# Altium PCB Elevator.PcbDoc (part 1 of 4) (continued)
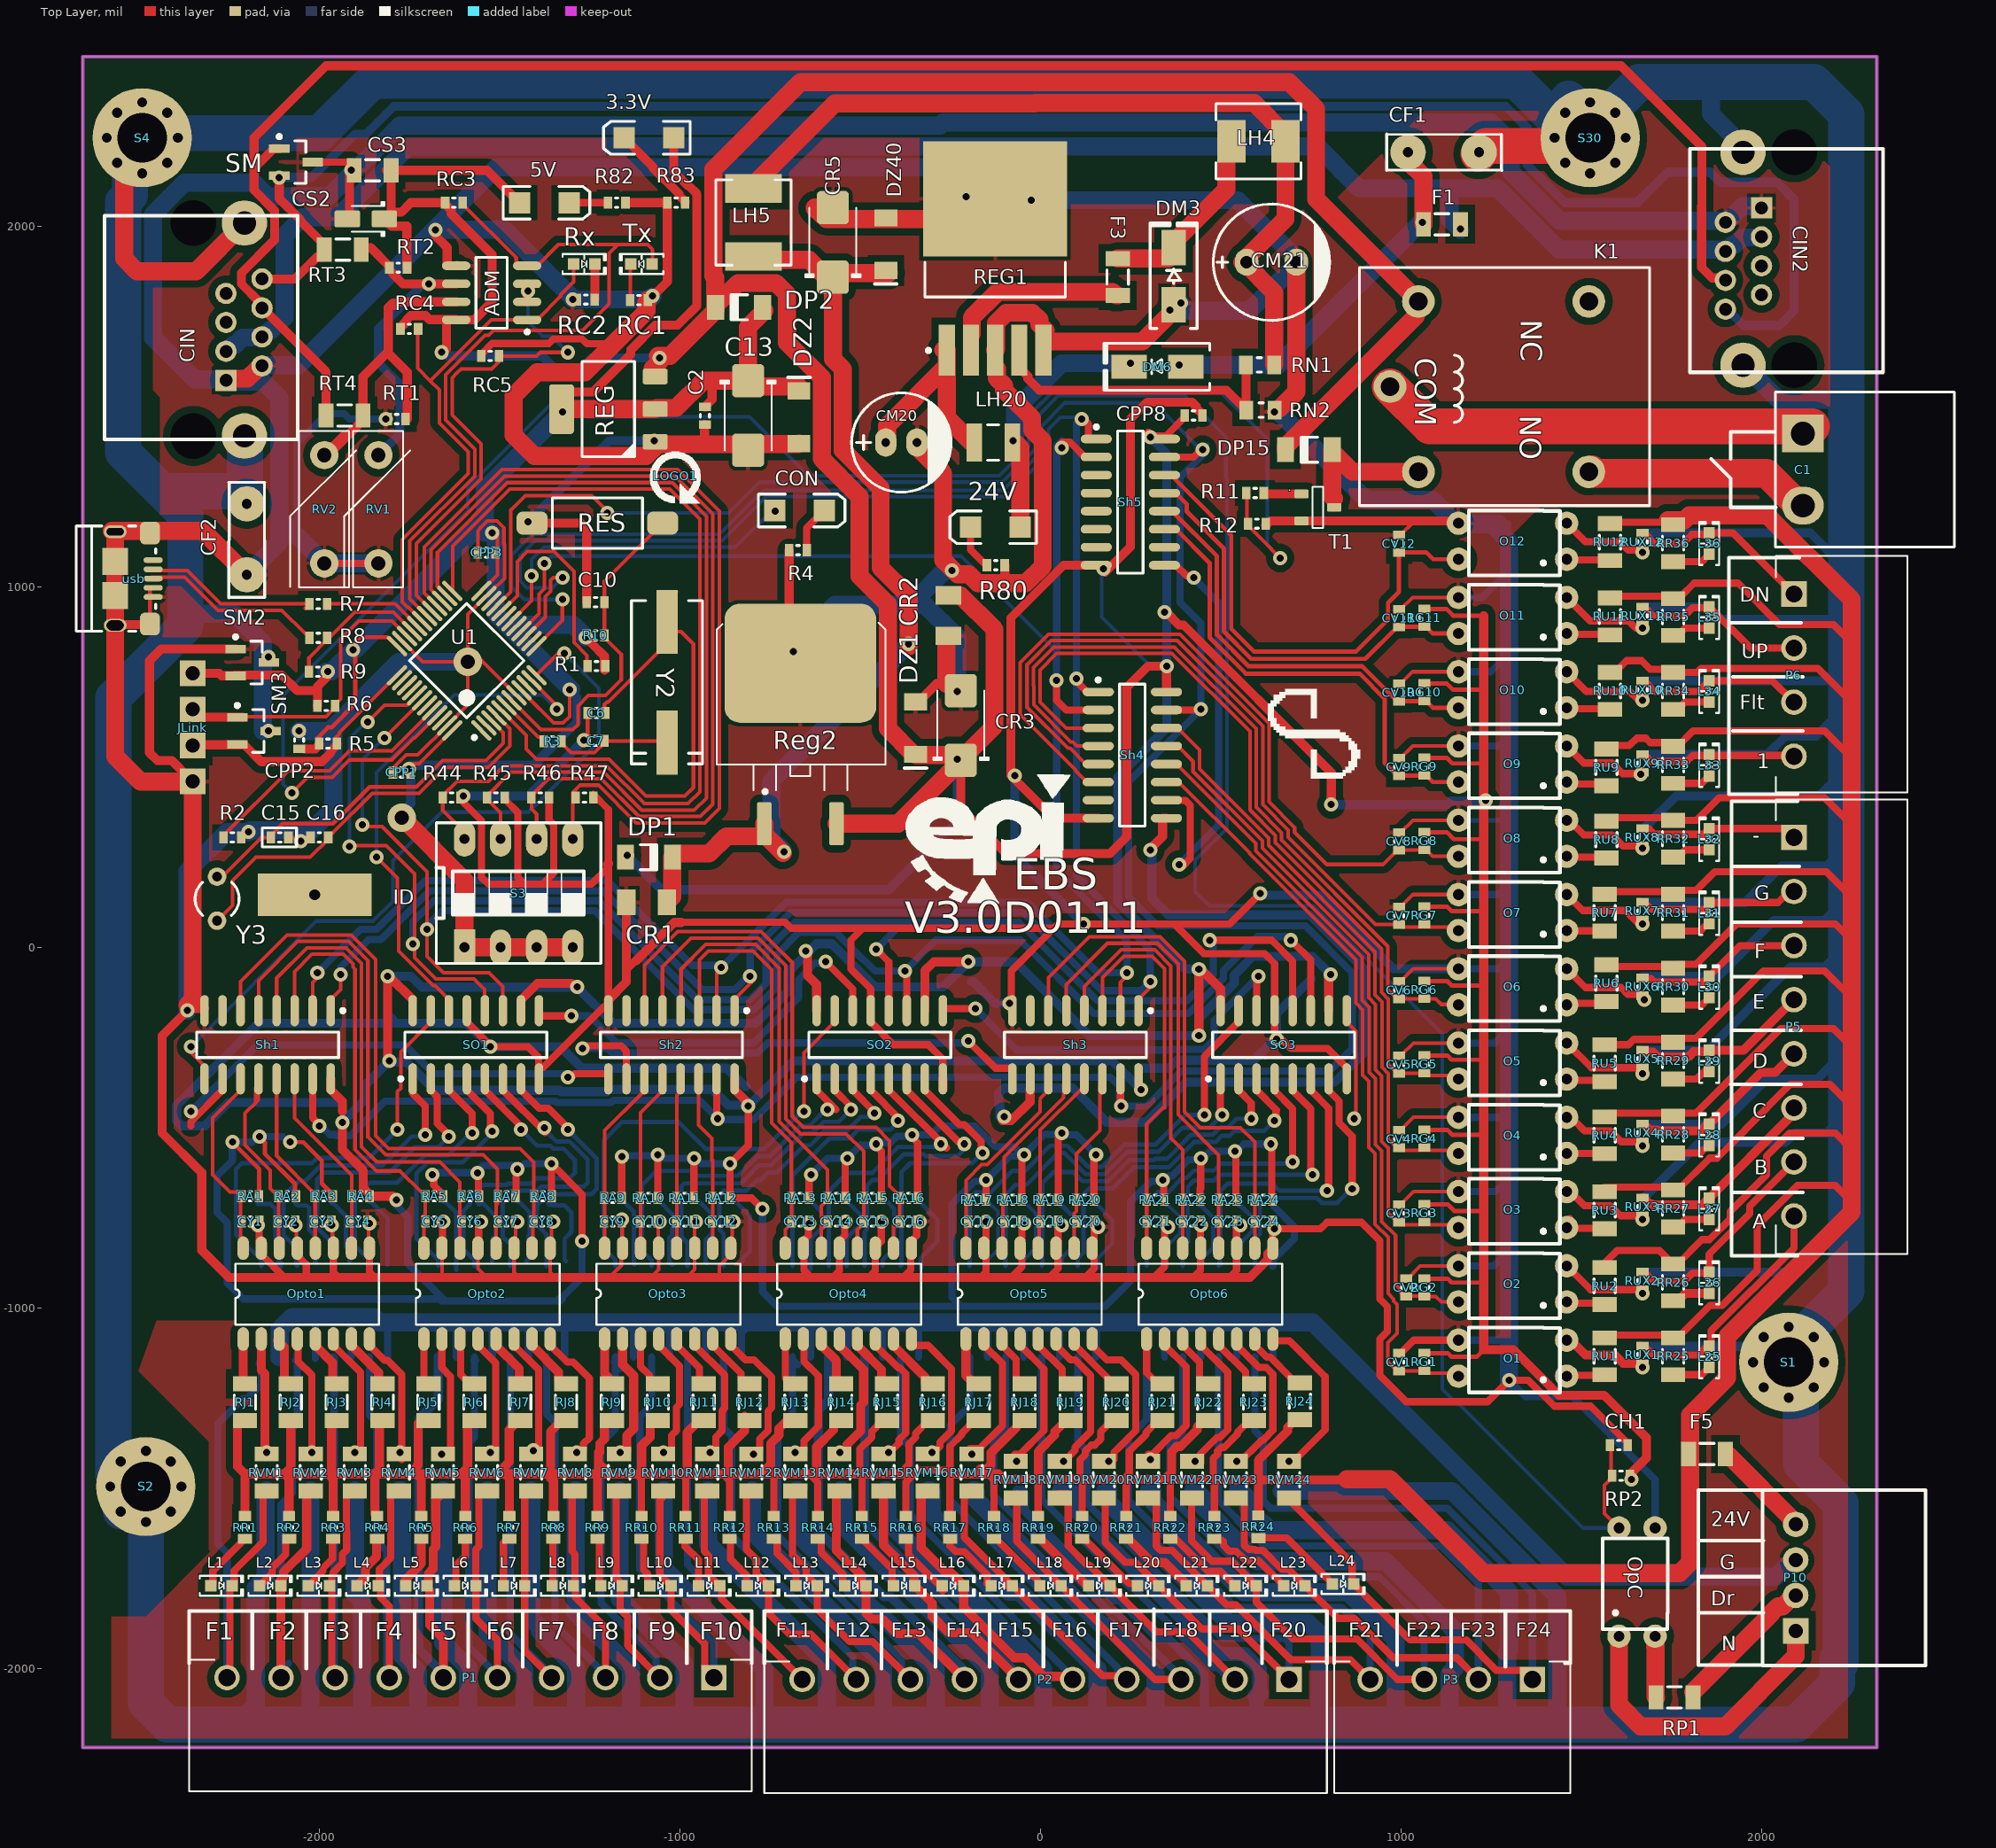
[diagram p0: Top Layer view]
## Components (designator, comment, footprint, x,y, rotation, side; value= is the part's Value field where it differs from the comment) (continued)
RA22 "10K" "RES 0603 (1608X06L)" 443.99,-700 r180 top
RA23 "10K" "RES 0603 (1608X06L)" 543.99,-700 r180 top
RA24 "10K" "RES 0603 (1608X06L)" 643.99,-700 r180 top
RC1 "510" "RES 0603 (1608X06L)" -1087.68,1795 r180 top
RC2 "510" "RES 0603 (1608X06L)" -1284.36,1796.59 r0 top
RC3 "10k" "RES 0603 (1608X06L)" -1601.01,2065 r180 top
RC4 "10k" "RES 0603 (1608X06L)" -1725,1715 r180 top
RC5 "10k" "RES 0603 (1608X06L)" -1500.6,1639.93 r180 top
REG "AMS1117-3.3" SOT223 -1197.53,1492.62 r180 top
REG1 "LM2576-Adj" TO-263-5 -125,1910 r90 top
Reg2 "L7805" D2PAK-3 -665,565.54 r270 top value=variable
RES "Button" "TE FSMSMTR" -1227.97,1176.48 r90 top
RF1 "1K" "RES 0603 (1608X06L)" -2170,-711.01 r270 bottom
RF2 "1K" "RES 0603 (1608X06L)" -2065,-710 r270 bottom
RF3 "1K" "RES 0603 (1608X06L)" -1965,-710 r270 bottom
RF4 "1K" "RES 0603 (1608X06L)" -1860,-706.01 r270 bottom
RF5 "1K" "RES 0603 (1608X06L)" -1655,-705 r270 bottom
RF6 "1K" "RES 0603 (1608X06L)" -1550,-710 r270 bottom
RF7 "1K" "RES 0603 (1608X06L)" -1450,-705 r270 bottom
RF8 "1K" "RES 0603 (1608X06L)" -1355,-710 r270 bottom
RF9 "1K" "RES 0603 (1608X06L)" -1165,-700 r270 bottom
RF10 "1K" "RES 0603 (1608X06L)" -1060,-705 r270 bottom
RF11 "1K" "RES 0603 (1608X06L)" -955,-700 r270 bottom
RF12 "1K" "RES 0603 (1608X06L)" -855,-700 r270 bottom
RF13 "1K" "RES 0603 (1608X06L)" -640,-705 r270 bottom
RF14 "1K" "RES 0603 (1608X06L)" -540,-705 r270 bottom
RF15 "1K" "RES 0603 (1608X06L)" -440,-705 r270 bottom
RF16 "1K" "RES 0603 (1608X06L)" -340,-705 r270 bottom
RF17 "1K" "RES 0603 (1608X06L)" -150,-705 r270 bottom
RF18 "1K" "RES 0603 (1608X06L)" -45,-710 r270 bottom
RF19 "1K" "RES 0603 (1608X06L)" 55,-715 r270 bottom
RF20 "1K" "RES 0603 (1608X06L)" 155,-715 r270 bottom
RF21 "1K" "RES 0603 (1608X06L)" 350,-715 r270 bottom
RF22 "1K" "RES 0603 (1608X06L)" 440,-715 r270 bottom
RF23 "1K" "RES 0603 (1608X06L)" 550,-715 r270 bottom
RF24 "1K" "RES 0603 (1608X06L)" 640,-721.01 r270 bottom
RG1 "20K" "RES 0603 (1608X06L)" 1065,-1173.99 r90 top
RG2 "20K" "RES 0603 (1608X06L)" 1065,-967.66 r90 top
RG3 "20K" "RES 0603 (1608X06L)" 1065,-761.33 r90 top
RG4 "20K" "RES 0603 (1608X06L)" 1065,-554.99 r90 top
RG5 "20K" "RES 0603 (1608X06L)" 1065,-348.66 r90 top
RG6 "20K" "RES 0603 (1608X06L)" 1065,-142.33 r90 top
RG7 "20K" "RES 0603 (1608X06L)" 1065,64.01 r90 top
RG8 "20K" "RES 0603 (1608X06L)" 1065,270.34 r90 top
RG9 "20K" "RES 0603 (1608X06L)" 1065,476.67 r90 top
RG10 "20K" "RES 0603 (1608X06L)" 1065,683.01 r90 top
RG11 "20K" "RES 0603 (1608X06L)" 1065,889.34 r90 top
RJ1 "3K" "RES 1206 (3216X08L)" -2205,-1210 r270 top
RJ2 "3K" "RES 1206 (3216X08L)" -2077.83,-1210 r270 top
RJ3 "3K" "RES 1206 (3216X08L)" -1950.65,-1210 r270 top
RJ4 "3K" "RES 1206 (3216X08L)" -1823.48,-1210 r270 top
RJ5 "3K" "RES 1206 (3216X08L)" -1696.3,-1210 r270 top
RJ6 "3K" "RES 1206 (3216X08L)" -1569.13,-1210 r270 top
RJ7 "3K" "RES 1206 (3216X08L)" -1441.96,-1210 r270 top
RJ8 "3K" "RES 1206 (3216X08L)" -1314.78,-1210 r270 top
RJ9 "3K" "RES 1206 (3216X08L)" -1187.61,-1210 r270 top
RJ10 "3K" "RES 1206 (3216X08L)" -1060.43,-1210 r270 top
RJ11 "3K" "RES 1206 (3216X08L)" -933.26,-1210 r270 top
RJ12 "3K" "RES 1206 (3216X08L)" -806.09,-1210 r270 top
RJ13 "3K" "RES 1206 (3216X08L)" -678.91,-1210 r270 top
RJ14 "3K" "RES 1206 (3216X08L)" -551.74,-1210 r270 top
RJ15 "3K" "RES 1206 (3216X08L)" -424.57,-1210 r270 top
RJ16 "3K" "RES 1206 (3216X08L)" -297.39,-1210 r270 top
RJ17 "3K" "RES 1206 (3216X08L)" -170.22,-1210 r270 top
RJ18 "3K" "RES 1206 (3216X08L)" -43.04,-1210 r270 top
RJ19 "3K" "RES 1206 (3216X08L)" 84.13,-1210 r270 top
RJ20 "3K" "RES 1206 (3216X08L)" 211.3,-1210 r270 top
RJ21 "3K" "RES 1206 (3216X08L)" 338.48,-1210 r270 top
RJ22 "3K" "RES 1206 (3216X08L)" 465.65,-1210 r270 top
RJ23 "3K" "RES 1206 (3216X08L)" 592.83,-1210 r270 top
RJ24 "3K" "RES 1206 (3216X08L)" 720,-1207.8 r270 top
RN1 "4.7K" "RES 0805" 648.74,1615 r180 top
RN2 "1K" "RES 0805" 571.26,1490 r0 top
RP1 "180K" "RES 1206 (3216X08L)" 1707.8,-2080 r0 top
RP2 "20K" "RES 0603 (1608X06L)" 1586.01,-1465 r0 top
RR1 "5K" "RES 0603" -2205,-1577.01 r270 top
RR2 "5K" "RES 0603" -2082.83,-1577.01 r270 top
RR3 "5K" "RES 0603" -1960.65,-1577.01 r270 top
RR4 "5K" "RES 0603" -1838.48,-1577.01 r270 top
RR5 "5K" "RES 0603" -1716.3,-1577.01 r270 top
RR6 "5K" "RES 0603" -1594.13,-1577.01 r270 top
RR7 "5K" "RES 0603" -1471.96,-1577.01 r270 top
RR8 "5K" "RES 0603" -1349.78,-1577.01 r270 top
RR9 "5K" "RES 0603" -1227.61,-1577.01 r270 top
RR10 "5K" "RES 0603" -1105.43,-1577.01 r270 top
RR11 "5K" "RES 0603" -983.26,-1577.01 r270 top
RR12 "5K" "RES 0603" -861.09,-1577.01 r270 top
RR13 "5K" "RES 0603" -738.91,-1577.01 r270 top
RR14 "5K" "RES 0603" -616.74,-1577.01 r270 top
RR15 "5K" "RES 0603" -494.57,-1577.01 r270 top
RR16 "5K" "RES 0603" -372.39,-1577.01 r270 top
RR17 "5K" "RES 0603" -250.22,-1577.01 r270 top
RR18 "5K" "RES 0603" -128.04,-1577.01 r270 top
RR19 "5K" "RES 0603" -5.87,-1577.01 r270 top
RR20 "5K" "RES 0603" 116.3,-1577.01 r270 top
RR21 "5K" "RES 0603" 238.48,-1577.01 r270 top
RR22 "5K" "RES 0603" 360.65,-1577.01 r270 top
RR23 "5K" "RES 0603" 482.83,-1577.01 r270 top
RR24 "5K" "RES 0603" 605,-1575 r270 top
RR25 "5K" "RES 1206 (3216X08L)" 1755,-1082.8 r270 top
RR26 "5K" "RES 1206 (3216X08L)" 1755,-877.8 r270 top
RR27 "5K" "RES 1206 (3216X08L)" 1755,-672.8 r270 top
RR28 "5K" "RES 1206 (3216X08L)" 1755,-467.8 r270 top
RR29 "5K" "RES 1206 (3216X08L)" 1755,-262.8 r270 top
RR30 "5K" "RES 1206 (3216X08L)" 1755,-57.8 r270 top
RR31 "5K" "RES 1206 (3216X08L)" 1755,147.2 r270 top
RR32 "5K" "RES 1206 (3216X08L)" 1755,352.2 r270 top
RR33 "5K" "RES 1206 (3216X08L)" 1755,557.2 r270 top
RR34 "5K" "RES 1206 (3216X08L)" 1755,762.2 r270 top
RR35 "5K" "RES 1206 (3216X08L)" 1755,967.2 r270 top
RR36 "5K" "RES 1206 (3216X08L)" 1755,1172.2 r270 top
RT1 "10K" "RES 0603 (1608X06L)" -1760,1465 r180 top
RT2 "10K" "RES 0603 (1608X06L)" -1755.64,1885 r180 top
RT3 "20" "RES 1206 (3216X08L)" -1985,1935 r0 top
RT4 "20" "RES 1206 (3216X08L)" -1980,1475 r0 top
RU1 "3K" "RES 1206 (3216X08L)" 1565,-1082.8 r270 top
RU2 "3K" "RES 1206 (3216X08L)" 1565,-887.8 r270 top
RU3 "3K" "RES 1206 (3216X08L)" 1565,-677.8 r270 top
RU4 "3K" "RES 1206 (3216X08L)" 1565,-470 r270 top
RU5 "3K" "RES 1206 (3216X08L)" 1565,-270 r270 top
RU6 "3K" "RES 1206 (3216X08L)" 1570,-47.8 r270 top
RU7 "3K" "RES 1206 (3216X08L)" 1565,147.2 r270 top
RU8 "3K" "RES 1206 (3216X08L)" 1570,350 r270 top
RU9 "3K" "RES 1206 (3216X08L)" 1570,550 r270 top
RU10 "3K" "RES 1206 (3216X08L)" 1580,762.27 r270 top
RU11 "3K" "RES 1206 (3216X08L)" 1580,968.64 r270 top
RU12 "3K" "RES 1206 (3216X08L)" 1580,1175 r270 top
RUX1 "330" "RES 0603 (1608X06L)" 1670,-1105 r270 top
RUX2 "330" "RES 0603 (1608X06L)" 1670,-900 r270 top
RUX3 "330" "RES 0603 (1608X06L)" 1670,-695 r270 top
RUX4 "330" "RES 0603 (1608X06L)" 1670,-490 r270 top
RUX5 "330" "RES 0603 (1608X06L)" 1670,-285 r270 top
RUX6 "330" "RES 0603 (1608X06L)" 1670,-85 r270 top
RUX7 "330" "RES 0603 (1608X06L)" 1670,125 r270 top
RUX8 "330" "RES 0603 (1608X06L)" 1670,330 r270 top
RUX9 "330" "RES 0603 (1608X06L)" 1670,535 r270 top
RUX10 "330" "RES 0603 (1608X06L)" 1670,738.99 r270 top
RUX11 "330" "RES 0603 (1608X06L)" 1670,943.99 r270 top
RUX12 "330" "RES 0603 (1608X06L)" 1670,1148.99 r270 top
RV1 "Res Varistor 10D201K" "Varistor Short Hieght - Vertical" -1835,1215 r270 top
RV2 "Res Varistor 10D201K" "Varistor Short Hieght - Vertical" -1985,1215 r270 top
RVM1 "330" "RES 1206 (3216X08L)" -2145,-1405 r270 top
RVM2 "330" "RES 1206 (3216X08L)" -2022.83,-1405 r270 top
RVM3 "330" "RES 1206 (3216X08L)" -1900.65,-1405 r270 top
RVM4 "330" "RES 1206 (3216X08L)" -1778.48,-1405 r270 top
RVM5 "330" "RES 1206 (3216X08L)" -1656.3,-1405 r270 top
RVM6 "330" "RES 1206 (3216X08L)" -1534.13,-1405 r270 top
RVM7 "330" "RES 1206 (3216X08L)" -1411.96,-1405 r270 top
RVM8 "330" "RES 1206 (3216X08L)" -1289.78,-1405 r270 top
RVM9 "330" "RES 1206 (3216X08L)" -1167.61,-1405 r270 top
RVM10 "330" "RES 1206 (3216X08L)" -1045.43,-1405 r270 top
RVM11 "330" "RES 1206 (3216X08L)" -923.26,-1405 r270 top
RVM12 "330" "RES 1206 (3216X08L)" -801.09,-1405 r270 top
RVM13 "330" "RES 1206 (3216X08L)" -678.91,-1405 r270 top
RVM14 "330" "RES 1206 (3216X08L)" -556.74,-1405 r270 top
RVM15 "330" "RES 1206 (3216X08L)" -434.57,-1405 r270 top
RVM16 "330" "RES 1206 (3216X08L)" -312.39,-1405 r270 top
RVM17 "330" "RES 1206 (3216X08L)" -190.22,-1405 r270 top
RVM18 "330" "RES 1206 (3216X08L)" -68.04,-1425 r270 top
RVM19 "330" "RES 1206 (3216X08L)" 54.13,-1425 r270 top
RVM20 "330" "RES 1206 (3216X08L)" 176.3,-1425 r270 top
RVM21 "330" "RES 1206 (3216X08L)" 298.48,-1425 r270 top
RVM22 "330" "RES 1206 (3216X08L)" 420.65,-1425 r270 top
RVM23 "330" "RES 1206 (3216X08L)" 542.83,-1425 r270 top
RVM24 "330" "RES 1206 (3216X08L)" 690,-1425 r270 top
Rx "RED" "LED 0603/1608 RED" -1264.36,1895 r0 top
S1 "Screw" MY_PAD_3MM 2075.4,-1150.4 r0 top net-tie
S2 "Screw" MY_PAD_3MM -2480,-1495 r0 top net-tie
S3 "SW DIP-4" "DIP Switch x4" -1596.29,0.52 r90 top
S4 "Screw" MY_PAD_3MM -2490,2245 r0 top net-tie
S30 "Screw" MY_PAD_3MM 1525,2245 r0 top net-tie
Sh1 "74HC165" SO-16 -2142.35,-270 r270 top
Sh2 "74HC165" SO-16 -1022.42,-270 r270 top
Sh3 "74HC165" SO-16 97.51,-270 r270 top
Sh4 "74HC165" SO-16 255.51,533.26 r0 top
Sh5 "74HC165" SO-16 250,1234.74 r0 top
SM "SM712 Diode" SOT23_BEC_M -2063.74,2177.4 r0 top
SM2 "SM712 Diode" SOT23_BEC_M -2185,790 r0 top
SM3 "SM712 Diode" SOT23_BEC_M -2180,600 r0 top
SO1 "74HCT595" SO-16 -1564.86,-270 r90 top
SO2 "74HCT595" SO-16 -444.93,-270 r90 top
SO3 "74HCT595" SO-16 675,-270 r90 top
T1 "BC848" SOT23-3 770,1220 r0 top
Tx "RED" "LED 0603/1608 RED" -1105.47,1895 r180 top
U1 "STM32F103CBT6" LQFP-48 -1590,795 r135 top
usb "USB Micro" "FCI USB 10118193-0001LF" -2563.03,1022.76 r90 top
Y2 "8 MHz" "Crystal SMD" -1035,712.88 r90 top
Y3 "32.768K" "XTAL RTC - Right" -2282.4,135 r0 top

## Footprints (in the part's own frame and the unit in brackets; to place one, negate y for a bottom-side part, rotate by r counter-clockwise, add the part's x,y. Pads: shape width x height; smd on the part's side, far side on the other; paste and mask are expansions set on the pad)
1206 [mm]
  rect 1.3x1.8 smd: 1(-1.425,0) 2(1.425,0)
  body extent -1.67,-0.87 1.68,0.87, height 0.71
"cap 02" [mm]
  oval 1.5x2 hole 0.6: 1(1.1,0) 2(-1.1,0)
  silkscreen extent -3.5,-3.5 3.5,3.5
"cap 03" [mil]
  oval 65x75 hole 35: 1(68.9,0) 2(-68.9,0)
  silkscreen extent -161,-161 161,161, body extent -159,-159 157,158, height 473
"Cap 10nF" [mm]
  round 2.5 hole 0.7: 1(0,0) 2(5,0)
  silkscreen extent -1.62,-1.28 6.51,1.29, body extent -1.5,-1.19 6.5,1.19, height 9.05
CAP-0603 [mm]
  rect 0.6x0.85 smd: 1(-0.622,0) 2(0.622,0)
  silkscreen extent -1.21,-0.67 1.2,0.68, body extent -0.76,-0.38 0.76,0.38, height 0.6
CAPMP3216X180N [mm] "Capacitor, polarized, Molded Body, EIA 535BAAC size A; 3.20mm L X 1.60mm W X 1.80mm H"
  round 0.508 on Mech15: 0(0,0)
  rrect25% 1.8x1.2 smd: 1(-1.3,0) 2(1.3,0)
  silkscreen extent -1.3,-1.2 1,1.2, body extent -1.6,-0.8 1.6,0.8, height 1.8
CAPMP6032X280N [mm] "Capacitor, polarized, Molded Body, EIA 535BAAC size C; 6.00mm L X 3.20mm W X 2.80mm H"
  round 0.508 on Mech15: 0(0,0)
  rrect25% 2.35x2.25 smd: 1(-2.45,0) 2(2.45,0)
  silkscreen extent -2.45,-1.95 2.45,1.95, body extent -3.87,-2.02 3.73,1.93, height 3.1
"CD45 SMD Inductor" [mm] "Wire Wound Inductor, 2-Leads, Body 4.00x5.00mm, IPC Medium Density"
  rect 2x3 smd: 1(-1.9,0) 2(1.9,0)
  silkscreen extent -3,-2.65 3,2.65, body extent -2.86,-2.6 5,2.6, height 4.5
CN_JST-B4B-S_XH [mm] "JST 2.5mm disconnectable crimp connector"
  rect 1.8x1.8 hole 1: 1(0,0)
  round 1.8 hole 1: 2(-2.5,0) 3(-5,0) 4(-7.5,0)
  silkscreen extent -9.91,-2.35 2.45,9.14, body extent -9.95,-2.3 2.45,9.2, height 6.1
"CN_RJ45_TYCO_ DY122-8P8C-G" [mm] "DY122-8P8C-G javan"
  rect 1.5x1.5 hole 0.9: 1(11.08,2.3)
  round 1.5 hole 0.9: 2(10.06,4.84) 3(9.04,2.3) 4(8.02,4.84) 5(7,2.3) 6(5.98,4.84) 7(4.96,2.3) 8(3.94,4.84)
  round 3.2 hole 1.63: 9(0,3.6) 9(15,3.6)
  round 0 hole 3.2: " "(0,0) " "(15,0)
  silkscreen extent -0.5,-6.25 15.25,7.35, body extent -1.75,-8.5 16.89,7.25, height 14.6
"Crystal SMD" [mm]
  rect 4.5x1.5 smd: 1(-3.683,0) 2(4.817,0)
  silkscreen extent -5.18,-2.5 6.32,2.5, body extent -5.64,-2.25 6.66,2.25, height 5.18
D2PAK-3 [mil]
  round 20 on Mech15: 0(0,0)
  rrect25% 120x40 smd: 1(222.5,-100) 3(222.5,100)
  rrect25% 330x420 smd: 4(-222.5,0)
  silkscreen extent -335,-232 139,236, body extent -361,-197 256,197, height 189
"DIP Switch x4" [mm]
  rect 2.5x1.5 hole 0.7: 1(0,0)
  oval 2.5x1.5 hole 0.7: 2(0,-2.54) 3(0,-5.08) 4(0,-7.62) 5(7.62,-7.62) 6(7.62,-5.08) 7(7.62,-2.54) 8(7.62,0)
  silkscreen extent -1.14,-9.6 8.76,1.98, body extent -1.14,-9.65 8.76,1.98, height 6.35
"DO214AC SMA" [mm]
  rect 2.5x1.7 smd: 1(-2,0) 2(2,0)
  silkscreen extent -3.68,-1.65 3.75,1.65, body extent -2.6,-1.37 2.6,1.37, height 2.4
"FCI USB 10118193-0001LF" [mm]
  oval 0.4x1.35 smd: 1(1.3,-2.625) 2(0.65,-2.625) 3(0,-2.625) 4(-0.65,-2.625) 5(-1.3,-2.625)
  oval 0.9x1.6 hole 0.7 slot 1.2 at 90 deg: S(-3.3,0.05)
  rrect50% 1.6x1.4 smd: S(-3.2,-2.4) S(3.2,-2.4)
  rect 1.9x1.8 smd: S(-1.2,0.05) S(1.2,0.05)
  oval 0.9x1.6 hole 0.5 slot 1.2 at 90 deg: S(3.3,0.05)
  silkscreen extent -3.7,-2.8 3.7,2.8, body extent -3.93,-2.9 3.93,2.76, height 2.78
"Fuse SMD 1206" [mm]
  rect 1.05x1.7 smd: 1(-1.397,0.127) 2(1.199,0.127)
  silkscreen extent -0.6,-0.62 0.4,0.88, body extent -1.14,-0.51 0.89,0.76, height 0.2
"Header 1x4 male rightangle" [mm]
  rect 1.8x1.8 hole 1: 1(-2.54,0) 2(0,0) 3(2.54,0) 4(5.08,0)
  body extent -3.81,-0.38 6.35,9.98, height 2.64
"HPC6045 SMD INDUCTOR" [mm] "Wire Wound Inductor, 2-Leads, Body 4.00x5.00mm, IPC Medium Density"
  rect 2x4 smd: 1(-2.4,0) 2(2.4,0)
  silkscreen extent -3,-2.65 3,2.65, body extent -2.86,-2.6 5,2.6, height 4.5
"LED 0603/1608 RED" [mm]
  rect 0.8x0.8 smd: 1(-0.75,0) 2(0.75,0)
  silkscreen extent -1.52,-0.7 1.52,0.7, body extent -0.8,-0.4 0.8,0.4, height 0.53
"LED SMD 1206" [mm]
  rect 1.5x1.5 smd: 1(-1.75,0) 2(1.75,0)
  silkscreen extent -2.9,-1.15 3.2,1.15, body extent -1.65,-0.76 1.65,0.69, height 1.36
LL4148 [mm] "MELF Diode, 2-Leads, Body 3.5x1.4mm, IPC Medium Density"
  rect 1.2x1.75 smd: 1(-1.65,0) 2(1.65,0)
  silkscreen extent -0.61,-0.87 0.57,0.87, body extent -1.78,-0.75 1.72,0.75, height 1.55
"LOGO RESET" [mil]
  silkscreen extent -76,-70 68,70
LQFP-48 [mm] "TSQFP, 48-Leads, Body 9,0x9,0mm (max), Pitch 0,50mm, IPC Medium Density"
  oval 1.9x0.3 smd: 1(-4.2,2.75) 2(-4.2,2.25) 3(-4.2,1.75) 4(-4.2,1.25) 5(-4.2,0.75) 6(-4.2,0.25) 7(-4.2,-0.25) 8(-4.2,-0.75) 9(-4.2,-1.25) 10(-4.2,-1.75) 11(-4.2,-2.25) 12(-4.2,-2.75) 25(4.2,-2.75) 26(4.2,-2.25) 27(4.2,-1.75) 28(4.2,-1.25) 29(4.2,-0.75) 30(4.2,-0.25) 31(4.2,0.25) 32(4.2,0.75) 33(4.2,1.25) 34(4.2,1.75) 35(4.2,2.25) 36(4.2,2.75)
  oval 0.3x1.9 smd: 13(-2.75,-4.2) 14(-2.25,-4.2) 15(-1.75,-4.2) 16(-1.25,-4.2) 17(-0.75,-4.2) 18(-0.25,-4.2) 19(0.25,-4.2) 20(0.75,-4.2) 21(1.25,-4.2) 22(1.75,-4.2) 23(2.25,-4.2) 24(2.75,-4.2) 37(2.75,4.2) 38(2.25,4.2) 39(1.75,4.2) 40(1.25,4.2) 41(0.75,4.2) 42(0.25,4.2) 43(-0.25,4.2) 44(-0.75,4.2) 45(-1.25,4.2) 46(-1.75,4.2) 47(-2.25,4.2) 48(-2.75,4.2)
  silkscreen extent -4.32,-2.85 2.85,3.57, body extent -4.5,-4.5 4.5,4.5, height 1.5
Minimelf [mm]
  rect 1.2x1.6 smd: 1(-1.85,-0.013) 2(1.85,-0.013)
  silkscreen extent 2.8,-0.8 2.8,0.75, body extent -1.75,-0.8 1.95,0.77, height 1.6
MY_PAD_3MM [mil]
  round 50 hole 28: 0(-98.43,0) 0(-69.6,-69.6) 0(-69.6,69.6) 0(0,-98.43) 0(0,98.43) 0(69.6,-69.6) 0(69.6,69.6) 0(98.43,0)
  round 275.59 hole 137.8: 0(0,0)
"phonix 2pin right 5.08" [mil]
  rect 115x105 hole 66: 1(0,100)
  oval 115x105 hole 66: 2(0,-100)
  silkscreen extent -76,-215 420,215, body extent -60,-199 410,208, height 310
"phonix 4pin right 3.81" [mm]
  rect 1.8x1.8 hole 1.2: 1(0,0)
  round 1.8 hole 1.2: 2(0,-3.81) 3(0,-7.62) 4(0,-11.43)
  silkscreen extent -1.27,-13.97 8,2.67, body extent -1.2,-14.03 8,2.6, height 7.32
"phonix 8pin right 3.81" [mm]
  rect 1.8x1.8 hole 1.2: 1(0,0)
  round 1.8 hole 1.2: 2(0,-3.81) 3(0,-7.62) 4(0,-11.43) 5(0,-15.24) 6(0,-19.05) 7(0,-22.86) 8(0,-26.67)
  silkscreen extent -1.27,-29.34 8,2.67, body extent -1.2,-29.27 8,2.6, height 7.32
"phonix 10pin right 3.81" [mm]
  rect 1.8x1.8 hole 1.2: 1(0,0)
  round 1.8 hole 1.2: 2(0,-3.81) 3(0,-7.62) 4(0,-11.43) 5(0,-15.24) 6(0,-19.05) 7(0,-22.86) 8(0,-26.67) 9(0,-30.48) 10(0,-34.29)
  silkscreen extent -1.27,-36.96 8,2.67, body extent -1.2,-36.89 8,2.6, height 7.32
PS2501-1 [mil]
  round 65 hole 30: 1(0,-300) 2(100,-300) 3(100,0) 4(0,0)
  silkscreen extent -45,-281 135,-29, body extent -40,-297 141,3, height 138
"Relay 20x16x20 HJR" [mm]
  round 2.3 hole 1.3: 1(0,0) 2(6,14) 3(-6,14) 4(-6,2) 5(6,2)
  silkscreen extent -8.38,-2.16 8.38,18.29, body extent -8.3,-2.03 8.3,18.27, height 20.2
"RES 0603" [mm] "Chip Resistor, 2-Leads, Body 1.6x0.8mm, IPC High Density _ (0.063W)"
  rect 0.7x0.85 smd: 1(0,0)
  rect 0.7x1 smd: 2(1.6,0)
  silkscreen extent 0.69,-0.25 0.89,0.25, body extent 0,-0.38 1.52,0.38, height 0.45
"RES 0603 (1608X06L)" [mm]
  rect 0.6x0.85 smd: 1(0,0) 2(1.244,0)
  silkscreen extent 0.52,-0.33 0.72,0.33, body extent -0.14,-0.38 1.38,0.38, height 0.45
"RES 0805" [mm] "Chip Resistor, 2-Leads, Body 2.0x1.3mm, IPC High Density _ (0.100 W)"
  rect 0.95x1.3 smd: 1(0,0) 2(2,0)
  silkscreen extent 0.89,-0.51 1.19,0.51, body extent 0,-0.63 2.03,0.64, height 0.6
"RES 1206 (3216X08L)" [mm]
  rect 1.05x1.7 smd: 1(0,0) 2(2.596,0)
  silkscreen extent 0.8,-0.75 1.8,0.75, body extent -0.23,-0.76 2.82,0.76, height 0.6
"RES 1210 (3226X07L)" [mm] "Chip Resistor, 2-Leads, Body 3.2x2.6mm, IPC High Density _ (0.250 W)"
  rect 1.1x2.7 smd: 1(-1.35,0) 2(1.35,0)
  silkscreen extent -0.4,-1.25 0.4,1.25, body extent -1.52,-1.27 1.52,1.27, height 0.6
SMD_CAP_0603 [mm]
  rect 0.6x0.85 smd: 1(-0.622,0) 2(0.622,0)
  silkscreen extent -0.1,-0.33 0.1,0.33, body extent -0.76,-0.38 0.76,0.38, height 0.6
SMD_CAP_1206 [mm]
  rect 1.05x1.7 smd: 1(0,0) 2(2.596,0)
  silkscreen extent 0.8,-0.75 1.8,0.75, body extent -0.22,-0.77 2.82,0.75, height 0.75
SO8_NARROW_N [mm]
  oval 2x0.6 smd: 1(-2.5,1.905) 2(-2.5,0.635) 3(-2.5,-0.635) 4(-2.5,-1.905) 5(2.5,-1.905) 6(2.5,-0.635) 7(2.5,0.635) 8(2.5,1.905)
  silkscreen extent -2.63,-2.5 1.1,2.88, body extent -3.12,-2.39 3.07,2.44, height 1.7
SO-16 [mm]
  oval 2.2x0.6 smd: 1(-2.4,4.445) 2(-2.4,3.175) 3(-2.4,1.905) 4(-2.4,0.635) 5(-2.4,-0.635) 6(-2.4,-1.905) 7(-2.4,-3.175) 8(-2.4,-4.445) 9(2.4,-4.445) 10(2.4,-3.175) 11(2.4,-1.905) 12(2.4,-0.635) 13(2.4,0.635) 14(2.4,1.905) 15(2.4,3.175) 16(2.4,4.445)
  silkscreen extent -2.52,-5 0.9,5.42, body extent -3.1,-5.08 3.1,5.08, height 1.73
SOT23-3 [mm]
  round 0.5 on Mech15: 0(0,0)
  rrect25% 1x0.6 smd: 1(-1.15,0.95) 2(-1.15,-0.95) 3(1.15,0)
  silkscreen extent -0.38,-1.45 0.38,1.45, body extent -1.4,-1.45 1.4,1.45, height 1.29
SOT23_BEC_M [mm] "SOT23, 3-Leads, Body 2.9x1.3mm, Pitch 0.95mm, Lead Span 2.4mm, IPC Low Density"
  rect 1.45x0.6 smd: 1(-1.175,0.95) 2(-1.175,-0.95) 3(1.175,0)
  silkscreen extent -1.3,-1.5 0.7,1.92, body extent -1.23,-1.45 1.07,1.45, height 1
SOT223 [mm] "SOT223 /SC-73"
  round 1 on Mech15: 0(0,0)
  rrect25% 1.75x1.1 smd: 1(-3.3,2.3) 2(-3.3,0) 3(-3.3,-2.3)
  rrect25% 1.75x3.5 smd: 4(3.3,0)
  silkscreen extent -1.85,-3.35 1.85,3.35, body extent -3.65,-3.35 3.65,3.35, height 1.8
SSOP16 [mm]
  oval 1.66x0.8 smd: 1(-3.2,3.81) 2(-3.2,2.54) 3(-3.2,1.27) 4(-3.2,0) 5(-3.2,-1.27) 6(-3.2,-2.54) 7(-3.2,-3.81) 8(-3.2,-5.08) 9(3.2,-5.08) 10(3.2,-3.81) 11(3.2,-2.54) 12(3.2,-1.27) 13(3.2,0) 14(3.2,1.27) 15(3.2,2.54) 16(3.2,3.81)
  silkscreen extent -2.2,-5.75 2.1,4.37, body extent -3.4,-5.75 3.6,4.55, height 2.3
"TE FSMSMTR" [mm]
  rrect50% 1.6x2.19 smd: 1(0,4.595) 2(0,-4.595)
  silkscreen extent -1.78,-3.17 1.78,3.17, body extent -1.75,-4.98 1.75,4.98, height 4.42
TO-263-5 [mm]
  rect 3.6x1.15 smd: 1(-6.45,3.4) 2(-6.45,1.7) 3(-6.45,0) 4(-6.45,-1.7) 5(-6.45,-3.4)
  rect 8.1x10.15 smd paste-5: 6(4.2,0)
  silkscreen extent -6.6,-4.95 -0.25,4.95, body extent -7.31,-5.08 7.33,5.08, height 4.57
"Varistor Short Hieght - Vertical" [mm]
  round 2 hole 1: 1(3.81,0) 2(-3.81,0)
  silkscreen extent -5.5,-2.41 5.5,2.22, body extent -5.5,-1.78 5.5,1.74, height 12
"XTAL RTC - Right" [mm]
  round 1.3 hole 0.7: 1(0,1.55) 2(0,-1.55)
  rect 8x3 hole 0.762: 3(6.878,0.276)
  silkscreen extent -1.55,-1.19 1.55,1.17, body extent -0.54,-1.44 10.23,2.01, height 3.1

## Part data
3.3V 5V 24V CON L1 L2 L3 L4 L5 L6 L7 L8 L9 L10 L11 L12 L13 L14 L15 L16 L17 L18 L19 L20 L21 L22 L23 L24 L25 L26 L27 L28 L29 L30 L31 L32 L33 L34 L35 L36 Rx Tx: library part LED, "Chip LED"
  Rx Tx: Price=845
ADM: library part MAX485CPA, Price=14700
C1: "Header, 2-Pin", LatestRevisionDate=17-Jul-2002, LatestRevisionNote="Re-released for DXP Platform.", Publisher="Altium Limited", system=connector
C2 CH1 CQQ1 CQQ2 CQQ3 CQQ4 CQQ5 CQQ6 CQQ7 CQQ8 CQQ9 CQQ10 CQQ11 CQQ12 CQQ13 CQQ14 CQQ15 CQQ16 CQQ17 CQQ18 CQQ19 CQQ20 CQQ21 CQQ22 CQQ23 CQQ24 CQQ25 CQQ26 CQQ27 CQQ28 CQQ29 CQQ30 CQQ31 CQQ32 CQQ33 CQQ34 CQQ35 CQQ36 CV1 CV2 CV3 CV4 CV5 CV6 CV7 CV8 CV9 CV10 CV11 CV12 CY1 CY2 CY3 CY4 CY5 CY6 CY7 CY8 CY9 CY10 CY11 CY12 CY13 CY14 CY15 CY16 CY17 CY18 CY19 CY20 CY21 CY22 CY23 CY24: library part Cap-Bipolar, "Bipolar Capacitor", Voltage=35V, Price=2800
C6 C7 C10 C15 C16 CPP1 CPP2 CPP3 CPP5 CPP6 CPP7 CPP8 CPP9 CPP10 CPP11 CPP12 CS3: library part Cap-Bipolar, "Bipolar Capacitor", Voltage=100V
  C6 C7 CPP1 CPP2 CPP3 CPP5 CPP6 CPP7 CPP8 CPP9 CPP10 CPP11 CPP12: ComponentLink1Description="Buy Link", ComponentLink1URL=http://nikushop.com/index.php?id_product=9033&controller=product, Price=902
  C10 C15: ComponentLink1Description="Buy Link", ComponentLink1URL=http://nikushop.com/index.php?id_product=13570&controller=product&search_query=1uF-0603&results=1, Price=2346
  C16: ComponentLink1Description="Buy Link", ComponentLink1URL=http://nikushop.com/index.php?id_product=9021&controller=product&search_query=10PF-0603&results=1, Price=1173
  CS3: Adding Date=1387/12/20, Designer="Saeid Jorablo", Organazation=ControTec
C13: library part Cap-Polar, "Polar Capacitor", Voltage=6V, Price=0
CF1 CF2: library part Cap-Bipolar, "Bipolar Capacitor", Voltage=2KV, Price=753
CM20: library part Cap-Polar, "Polar Capacitor", Voltage=63V, Adding Date=1387/12/20, Designer="Saeid Jorablo", Organazation=ControTec
CM21: library part Cap-Polar, "Polar Capacitor", Voltage=25V, Adding Date=1387/12/20, Designer="Saeid Jorablo", Organazation=ControTec
CR1 CR2: library part Cap-Bipolar, "Bipolar Capacitor", Voltage=50V, Price=753
CR3 CR5 CS2: library part Cap-Polar, "Polar Capacitor", Voltage=16V, Adding Date=1387/12/20, Designer="Saeid Jorablo", Organazation=ControTec
DM3 DM6 DP1 DP2 DP15: library part "Diode 1N4148", "High Conductance Fast Diode", Code_JEDEC=DO-204-AH, ComponentLink1Description="Manufacturer Link", ComponentLink1URL=http://www.fairchildsemi.com/, ComponentLink2Description=Datasheet, ComponentLink2URL=http://www.fairchildsemi.com/ds/1N%2F1N4148.pdf, DatasheetVersion=1997, LatestRevisionDate=17-Jul-2002, LatestRevisionNote="Re-released for DXP Platform.", PackageDescription="Diode, Axial; Body 3.8 x 1.9 mm (LxDia. max), Lead Dia. 0.53 mm (max)", PackageReference=DO-35, Published=8-Jun-2000, Publisher="Altium Limited"
DZ1 DZ2 DZ40: library part "D Zener", "Zener Diode", Voltage=5.1, Price=1840
F1 F3 F5: library part "Fuse 2", "Fuse", CURRENT=0.5A, LatestRevisionDate=17-Jul-2002, LatestRevisionNote="Re-released for DXP Platform.", PackageDescription="Thru-Hole; 2 Leads", PackageReference=PIN-W2/E2.8, Published=8-Jun-2000, Publisher="Altium Limited"
JLink: library part "Header 1*4"
K1: "RELAY 5V 7A 1C 5PIN", Company=E.P.I.L, Design_Date=2011/10/31, Designer="Eng. Saeid Jorablo"
LOGO1: library part WARNING, "WARNING & LOGO", Company=E.P.I.L, Design Date=11/6/2011
O1 O2 O3 O4 O5 O6 O7 O8 O9 O10 O11 O12 Opto1 Opto2 Opto3 Opto4 Opto5 Opto6 OptoO1 OptoO2 OptoO3 OptoO4 OptoO5 OptoO6: "HIGH DENSITY MOUNTING PHOTOTRANSISTOR OPTICALLY COUPLED ISOLATORS"
  O1 O2 O3 O4 O5 O6 O7 O8 O9 O10 O11 O12: Price=10914
  Opto1 Opto2 Opto3 Opto4 Opto5 Opto6 OptoO1 OptoO2 OptoO3 OptoO4 OptoO5 OptoO6: Company="IPA CO.", ComponentLink1Description="datasheet - pdf", ComponentLink2Description=appnote, Creation Date=1387-1-26, Creator="Saeid Jorablo"
OpC: library part TLP521, "HIGH DENSITY MOUNTING PHOTOTRANSISTOR OPTICALLY COUPLED ISOLATORS", Price=10914
P1 P2: library part "Header 1x10"
P3 P6 P10: library part "Header 1x4"
P5: library part "Header 1x8"
R1 R2 R5 R6 R7 R8 R9 R10 R44 R45 R46 R47 RA1 RA2 RA3 RA4 RA5 RA6 RA7 RA8 RA9 RA10 RA11 RA12 RA13 RA14 RA15 RA16 RA17 RA18 RA19 RA20 RA21 RA22 RA23 RA24 RF1 RF2 RF3 RF4 RF5 RF6 RF7 RF8 RF9 RF10 RF11 RF12 RF13 RF14 RF15 RF16 RF17 RF18 RF19 RF20 RF21 RF22 RF23 RF24 RG1 RG2 RG3 RG4 RG5 RG6 RG7 RG8 RG9 RG10 RG11 RJ1 RJ2 RJ3 RJ4 RJ5 RJ6 RJ7 RJ8 RJ9 RJ10 RJ11 RJ12 RJ13 RJ14 RJ15 RJ16 RJ17 RJ18 RJ19 RJ20 RJ21 RJ22 RJ23 RJ24 RP2 RR1 RR2 RR3 RR4 RR5 RR6 RR7 RR8 RR9 RR10 RR11 RR12 RR13 RR14 RR15 RR16 RR17 RR18 RR19 RR20 RR21 RR22 RR23 RR24 RR25 RR26 RR27 RR28 RR29 RR30 RR31 RR32 RR33 RR34 RR35 RR36 RU1 RU2 RU3 RU4 RU5 RU6 RU7 RU8 RU9 RU10 RU11 RU12 RUX1 RUX2 RUX3 RUX4 RUX5 RUX6 RUX7 RUX8 RUX9 RUX10 RUX11 RUX12 RVM1 RVM2 RVM3 RVM4 RVM5 RVM6 RVM7 RVM8 RVM9 RVM10 RVM11 RVM12 RVM13 RVM14 RVM15 RVM16 RVM17 RVM18 RVM19 RVM20 RVM21 RVM22 RVM23 RVM24: library part Resistor, "Resistor"
  R1 R2 R5 R6 R10 R44 R45 R46 R47 RF1 RF2 RF3 RF4 RF5 RF6 RF7 RF8 RF9 RF10 RF11 RF12 RF13 RF14 RF15 RF16 RF17 RF18 RF19 RF20 RF21 RF22 RF23 RF24: ComponentLink1Description="Buy Link", ComponentLink1URL=http://www.roboeq.ir/products/detail/%D9%85%D9%82%D8%A7%D9%88%D9%85%D8%AA%2010%20%DA%A9%DB%8C%D9%84%D9%88%20%D8%A7%D9%87%D9%85%20SMD%200603/, Price=394
  R7 R8: ComponentLink1Description="Buy Link", ComponentLink1URL="20R Resistor R5, R6 RES 0603 (1608X06L) Resistor 2 276 552 http://nikushop.com/index.php?id_product=13587&controller=product", Price=276
  R9: ComponentLink1Description="Buy Link", ComponentLink1URL=http://kaelectronic.ir/index.php?route=product/product&product_id=6863&search=15kohm+0603, Price=597
  RA1 RA2 RA3 RA4 RA5 RA6 RA7 RA8 RA9 RA10 RA11 RA12 RA13 RA14 RA15 RA16 RA17 RA18 RA19 RA20 RA21 RA22 RA23 RA24 RG1 RG2 RG3 RG4 RG5 RG6 RG7 RG8 RG9 RG10 RG11 RJ1 RJ2 RJ3 RJ4 RJ5 RJ6 RJ7 RJ8 RJ9 RJ10 RJ11 RJ12 RJ13 RJ14 RJ15 RJ16 RJ17 RJ18 RJ19 RJ20 RJ21 RJ22 RJ23 RJ24 RP2 RR1 RR2 RR3 RR4 RR5 RR6 RR7 RR8 RR9 RR10 RR11 RR12 RR13 RR14 RR15 RR16 RR17 RR18 RR19 RR20 RR21 RR22 RR23 RR24 RR25 RR26 RR27 RR28 RR29 RR30 RR31 RR32 RR33 RR34 RR35 RR36 RU1 RU2 RU3 RU4 RU5 RU6 RU7 RU8 RU9 RU10 RU11 RU12 RUX1 RUX2 RUX3 RUX4 RUX5 RUX6 RUX7 RUX8 RUX9 RUX10 RUX11 RUX12 RVM1 RVM2 RVM3 RVM4 RVM5 RVM6 RVM7 RVM8 RVM9 RVM10 RVM11 RVM12 RVM13 RVM14 RVM15 RVM16 RVM17 RVM18 RVM19 RVM20 RVM21 RVM22 RVM23 RVM24: Price=617
R3 R4 R11 R12 R80 R82 R83 RC1 RC2 RC3 RC4 RC5 RN1 RN2 RT1 RT2 RT3 RT4: library part Resistor, "Resistor", Power=1/4W
  RC1 RC2: Price=276
  RC3 RC4 RC5 RT1 RT2 RT3 RT4: Price=394
  RN1: Price=506
  RN2: Price=680
REG: library part REG1117A-2.5/2K5, ")", ComponentLink1Description="Manufacturer URL", ComponentLink1URL=http://www.ti.com/, ComponentLink2Description=Datasheet, ComponentLink2URL=http://www.ti.com/general/docs/lit/getliterature.tsp?genericPartNumber=REG1117A-25&fileType=pdf, ComponentLink3Description="Package Specification", ComponentLink3URL=http://www.ti.com/litv/pdf/mpds094a, Price=4200
REG1: library part LM2596, Price=5700
Reg2: "Voltage Regulator IC, D2PAK SMD, L7805", Manufacturer 1="ON Semiconductor", Package / Case=D2PAK, Ratings="40V; 1.5A", Supplier Part Number 1=LM317D2TGOS-ND, Tolerance=0.04%, Voltage Regulator Type="Adjustable Positive Linear", Manufacturer Part Number 1=L7805, SCDType=spec*, Supplier 1=Digi-Key
RES: library part "SPST-NO 2 PIN", ComponentLink1Description="Buy Link", ComponentLink1URL=https://eshop.eca.ir/%D8%AA%DA%A9-%D8%B3%D9%88%D8%A6%DB%8C%DA%86/6472-%D8%AA%DA%A9-%D8%B3%D9%88%D8%A6%DB%8C%DA%86-smd-%D8%B3%D8%A7%DB%8C%D8%B2-3x6x25-%D8%B2%D8%B1%D8%AF-%D8%A8%D8%B3%D8%AA%D9%87-10-%D8%AA%D8%A7%DB%8C%DB%8C.html, Price=1900
RP1: library part Resistor, "Resistor", Power=1W, Buy Site=ickala.com, IC Name=Resistor, Index=Ri, Price=4125
RV1 RV2: library part "Res Varistor", "Varistor (Voltage-Sensitive Resistor)", Code_IPC=RESC2012, LatestRevisionDate=29-May-2009, LatestRevisionNote="IPC-7351 Footprint Added.", PackageDescription="Chip Resistor 0805 Case Size", PackageReference=6-0805, PackageVersion=Mar-2003, Published=24-Mar-1999, Publisher="Altium Limited"
S1 S2 S4 S30: "3mm Screw"
S3: "DIP Switch, 4 Position, SPST", Code_IPC=SOIC127P600-8, Code_JEDEC=MS-012-AA, LatestRevisionDate=29-May-2009, LatestRevisionNote="IPC-7351 Footprint Added.", PackageDescription="8-Pin Small Outline Integrated Circuit 1.27 mm Pitch", PackageReference=SO8, PackageVersion=Dec-2002, Published=24-Mar-1999, Publisher="Altium Limited"
T1: library part NPN_MMBT3904, "Transistor SMD NPN 40V 0.2A 250mW SOT-23", Manufacturer 1="Fairchild Semiconductor", Manufacturer 2="NXP Semiconductors", Manufacturer Part Number 2=PMBT3904,215, Package / Case=SOT-23, Ratings="40V; 200mA; 250mW", Supplier Part Number 1=MMBT3904FSCT-ND, ComponentLink1Description=http://www.fairchildsemi.com/ds/MM/MMBT3904.pdf, ComponentLink1URL=http://www.fairchildsemi.com/ds/MM/MMBT3904.pdf, ComponentLink2Description=http://www.nxp.com/documents/data_sheet/PMBT3904.pdf, ComponentLink2URL=http://www.nxp.com/documents/data_sheet/PMBT3904.pdf, Manufacturer Part Number 1=BC848, Material=Si, Mounting Type="Surface Mount", SCDType=source, Supplier 1=Digi-Key, Supplier 2=Digi-Key, Supplier Part Number 2=568-1741-1-ND, Transistor Type=NPN
U1: "STM32 ARM-based 32-bit MCU with 128 Kbytes Flash, 48-pin LQFP, Industrial Temperature", ComponentLink1Description="Manufacturer Link", ComponentLink1URL=www.st.com/stm32, ComponentLink2Description=Datasheet, ComponentLink2URL=http://www.st.com/stonline/products/literature/ds/13587.pdf, DatasheetVersion="rev6, Mar-2008", PackageDescription="48-Pin Low-Profile Quad Flat Pack, 7 x 7 mm Body, 0.5 mm Pitch (LQFP48)", PackageReference=LQFP48, PackageVersion=Mar-2008, Published=30-May-2008, Publisher="Altium Limited"
usb: library part "USB 2.0 Type B Micro", ComponentLink1Description="Buy Link", ComponentLink1URL=http://nikushop.com/index.php?id_product=11066&controller=product, Price=14934
Y2 Y3: library part XTAL, "XTAL Crystal"
  Y2: Price=20000
  Y3: ComponentLink1Description="Buy Link", ComponentLink1URL=http://www.roboeq.ir/products/detail/%DA%A9%D8%B1%DB%8C%D8%B3%D8%AA%D8%A7%D9%84%2032.768%20%DA%A9%DB%8C%D9%84%D9%88%D9%87%D8%B1%D8%AA%D8%B2/, Price=5900
LH4 LH5: Code_IEC=1005, Code_JEITA=0402, LatestRevisionDate=29-May-2009, LatestRevisionNote="IPC-7351 Footprint Added.", PackageDescription="Chip Inductor", PackageReference=0402-A, Published=8-Jun-2000, Publisher="Altium Limited"
LH20: Code_IEC=1005, Code_JEITA=0805, LatestRevisionDate=29-May-2009, LatestRevisionNote="IPC-7351 Footprint Added.", PackageDescription="Chip Inductor", PackageReference=0402-A, Published=8-Jun-2000, Publisher="Altium Limited"
Sh1 Sh2 Sh3 Sh4 Sh5: Price=16000

## Via types
v1: diameter 39.37, hole 19.68, Top Layer to Bottom Layer, 154 vias
v2: diameter 39.37, hole 19.68, Top Layer to Bottom Layer, tented both sides, 76 vias
v3: diameter 78.74, hole 39.37, Top Layer to Bottom Layer, 1 vias
v4: diameter 78.74, hole 39.37, Top Layer to Bottom Layer, tented both sides, 1 vias